# Altium PCB FlightControl.PcbDoc (part 2 of 4) (continued)
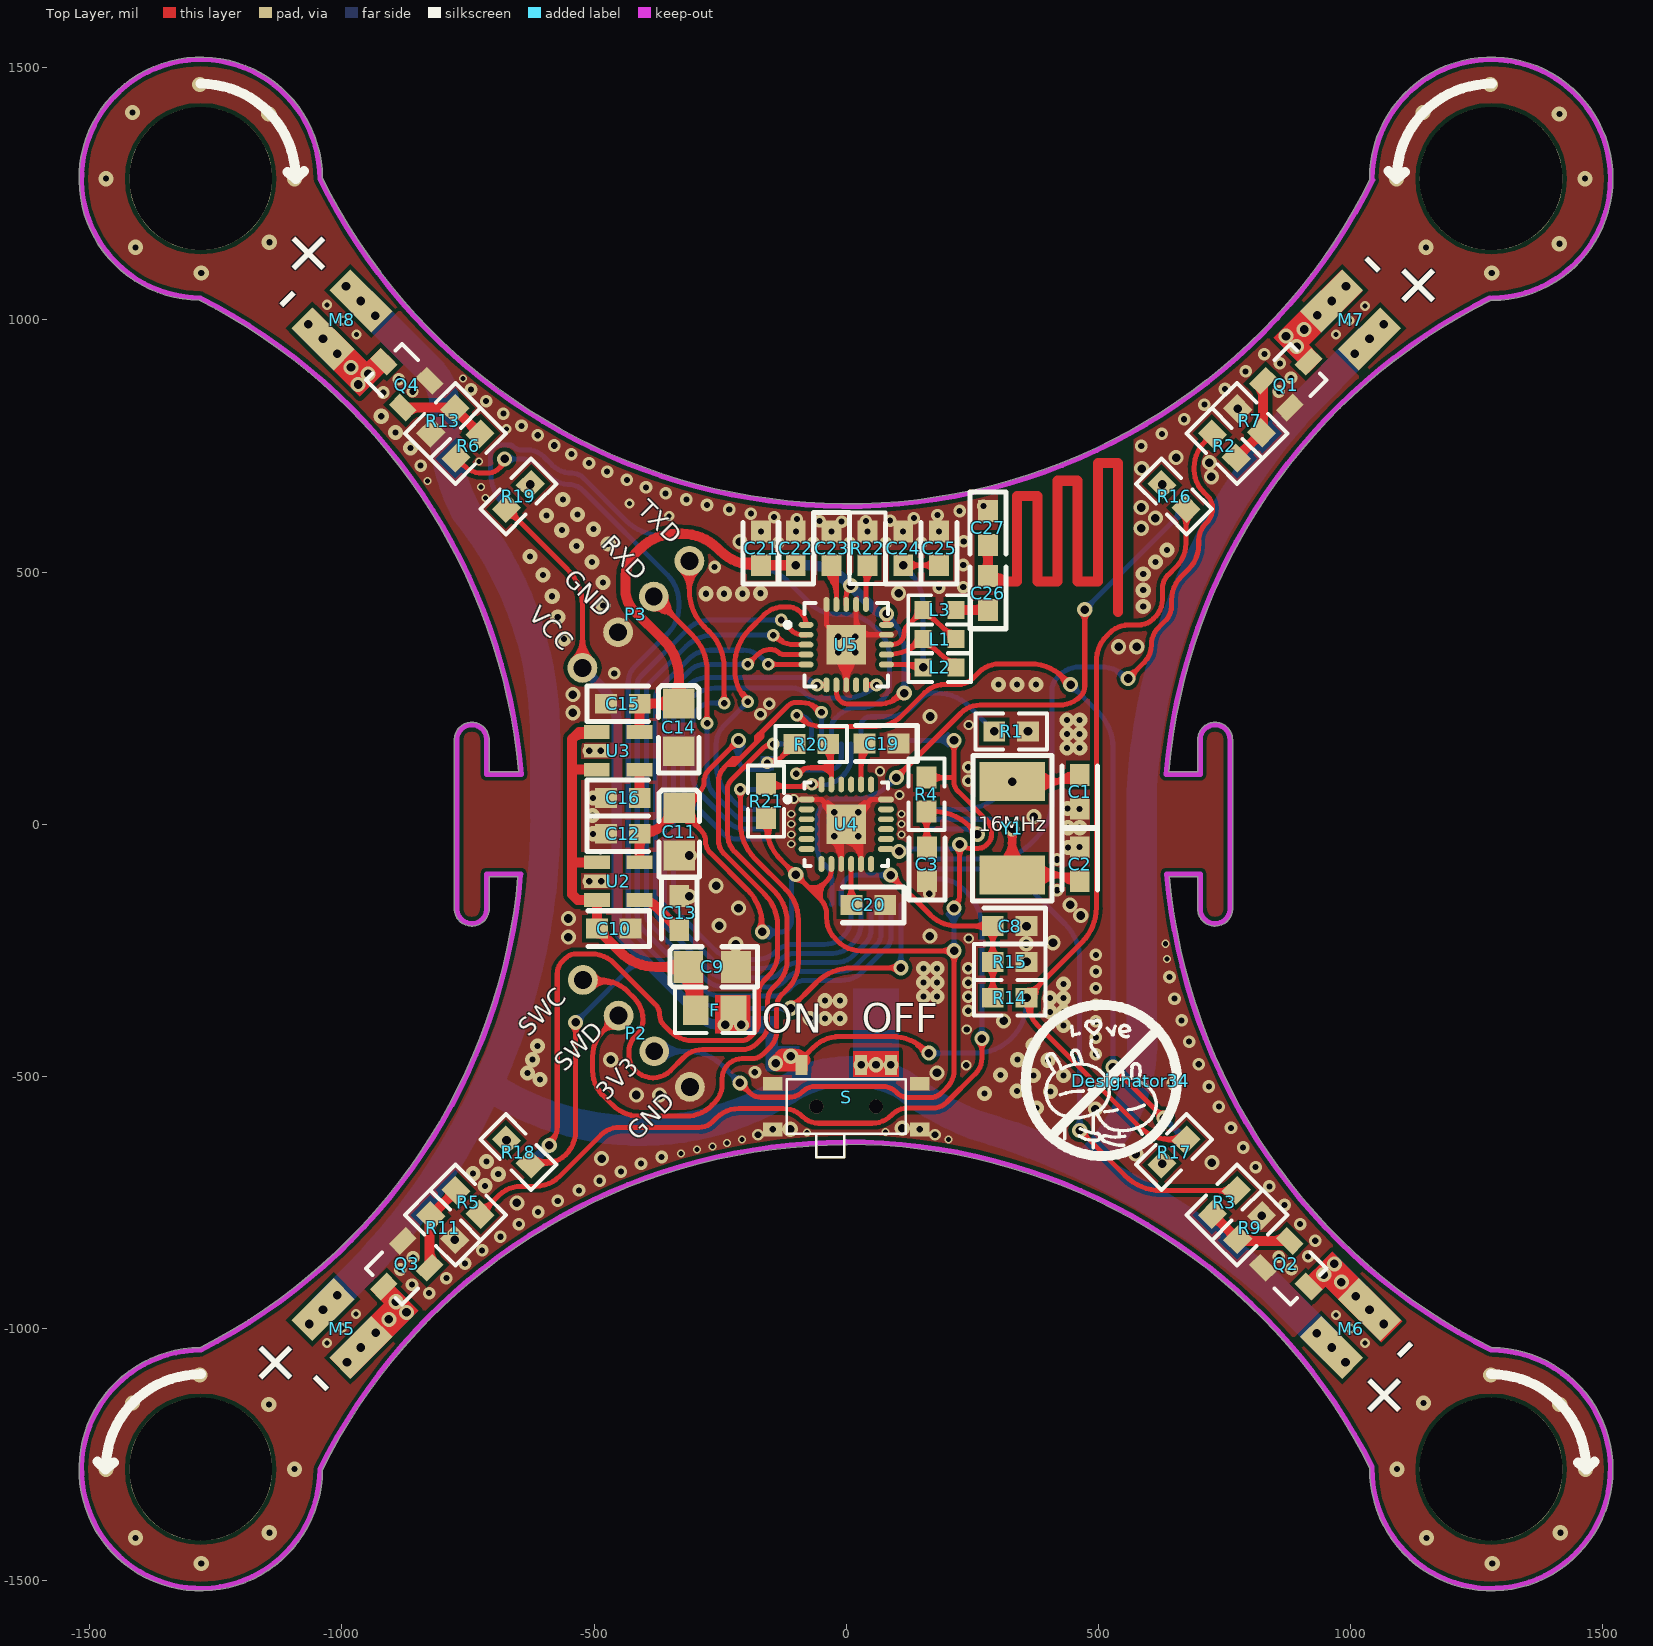
[diagram p0: Top Layer view]
## Nets (pads, with @x,y where several pads share a name; then routed paths per layer and width w, separated by ;. In a path a pad name is that pad's centre, name@x,y a point inside that pad or via, vN(x,y) a via of type N, cw(c..) or ccw(c..) an arc to the next point about the centre after c; other vN are vias at no path point) (continued)
  Bottom Layer w10: LED3.2@-626.34,-673.66 -625.66,-673.66 v1(-589,-637) ; U1.40@-49.21,159.45 -49.21,221.79 v4(-49,222) ; LED3.2@-627.73,-657.59 ccw(c-627.73,-630.38) -608.49,-649.62 ; LED3.2@-627.73,-657.59 ccw(c-627.73,-630.38) -608.49,-649.62 ; LED3.2@-627.73,-657.59 ccw(c-627.73,-630.38) -608.49,-649.62 ; LED3.2@-626.34,-658.98 ccw(c-626.34,-621.9) -600.12,-648.12 ; LED3.2@-626.34,-658.98 ccw(c-626.34,-621.9) -600.12,-648.12 ; LED3.2@-626.34,-658.98 ccw(c-626.34,-621.9) -600.12,-648.12 ; LED3.2@-623.48,-660.44 ccw(c-620.1,-626.64) -596.08,-650.66 ; LED3.2@-623.48,-660.44 ccw(c-620.1,-626.64) -596.08,-650.66 ; LED3.2@-623.48,-660.44 ccw(c-620.1,-626.64) -596.08,-650.66 ; LED3.2@-616.38,-657.51 ccw(c-635.4,-624.57) v1@-598.66,-634.41 ; LED3.2@-616.38,-657.51 ccw(c-635.4,-624.57) v1@-598.66,-634.41 ; LED3.2@-616.38,-657.51 ccw(c-635.4,-624.57) v1@-598.66,-634.41 ; LED3.2@-616.38,-657.51 ccw(c-635.4,-624.57) v1@-598.66,-634.41 ; LED3.2@-616.38,-657.51 ccw(c-635.4,-624.57) v1@-598.66,-634.41 ; LED3.2@-616.38,-657.51 ccw(c-635.4,-624.57) v1@-598.66,-634.41 ; LED3.2@-615.45,-661.85 ccw(c-632.08,-633.04) v1@-598.96,-636.09 ; LED3.2@-615.45,-661.85 ccw(c-632.08,-633.04) v1@-598.96,-636.09 ; LED3.2@-615.45,-661.85 ccw(c-632.08,-633.04) v1@-598.96,-636.09 ; LED3.2@-614.3,-664.09 cw(c-584.26,-681.44) v1@-587.94,-646.94 ; LED3.2@-614.3,-664.09 cw(c-584.26,-681.44) v1@-587.94,-646.94 ; LED3.2@-614.3,-664.09 cw(c-584.26,-681.44) v1@-587.94,-646.94 ; LED3.2@-613.07,-671.43 cw(c-576.71,-669.34) -602.46,-643.59 ; LED3.2@-613.07,-671.43 cw(c-576.71,-669.34) -602.46,-643.59 ; LED3.2@-613.07,-671.43 cw(c-576.71,-669.34) -602.46,-643.59 ; LED3.2@-611.65,-673.66 cw(c-577.82,-673.66) -601.74,-649.74 ; LED3.2@-611.65,-673.66 cw(c-577.82,-673.66) -601.74,-649.74 ; LED3.2@-611.65,-673.66 cw(c-577.82,-673.66) -601.74,-649.74 ; -611.29,-656.29 cw(c-594.35,-666.07) v1@-590.81,-646.83 ; -611.29,-656.29 cw(c-594.35,-666.07) v1@-590.81,-646.83 ; -611.29,-656.29 cw(c-594.35,-666.07) v1@-590.81,-646.83 ; LED3.2@-610.74,-665.33 cw(c-576.04,-685.36) v1@-586.41,-646.66 ; LED3.2@-610.74,-665.33 cw(c-576.04,-685.36) v1@-586.41,-646.66 ; LED3.2@-610.74,-665.33 cw(c-576.04,-685.36) v1@-586.41,-646.66 ; LED3.2@-610.74,-665.33 cw(c-576.04,-685.36) v1@-586.41,-646.66 ; LED3.2@-610.74,-665.33 cw(c-576.04,-685.36) v1@-586.41,-646.66 ; LED3.2@-610.74,-665.33 cw(c-576.04,-685.36) v1@-586.41,-646.66 ; LED3.2@-610.26,-675.06 cw(c-585.61,-675.06) -603.04,-657.63 ; LED3.2@-610.26,-675.06 cw(c-585.61,-675.06) -603.04,-657.63 ; LED3.2@-610.26,-675.06 cw(c-585.61,-675.06) -603.04,-657.63 ; -609.2,-659.82 ccw(c-619.74,-641.56) v1@-598.89,-638.47 ; -609.2,-659.82 ccw(c-619.74,-641.56) v1@-598.89,-638.47 ; -609.2,-659.82 ccw(c-619.74,-641.56) v1@-598.89,-638.47 ; -606.07,-654.07 ccw(c-623.14,-637) v1@-599,-637 ; -606.07,-654.07 cw(c-589,-671.14) v1@-589,-647 ; -606.07,-654.07 ccw(c-623.14,-637) v1@-599,-637 ; -606.07,-654.07 cw(c-589,-671.14) v1@-589,-647 ; -606.07,-654.07 ccw(c-623.14,-637) v1@-599,-637 ; -606.07,-654.07 cw(c-589,-671.14) v1@-589,-647 ; -604.47,-647.06 cw(c-586.84,-657.24) v1(-589,-637) ; -604.47,-647.06 cw(c-586.84,-657.24) v1(-589,-637) ; -604.47,-647.06 cw(c-586.84,-657.24) v1(-589,-637) ; -604.21,-644.02 cw(c-591.63,-651.29) v1(-589,-637) ; -604.21,-644.02 cw(c-591.63,-651.29) v1(-589,-637) ; -604.21,-644.02 cw(c-591.63,-651.29) v1(-589,-637) ; -598.73,-652.19 ccw(c-608.53,-635.21) v1(-589,-637) ; -598.73,-652.19 ccw(c-608.53,-635.21) v1(-589,-637) ; -598.73,-652.19 ccw(c-608.53,-635.21) v1(-589,-637) ; -596.47,-652.47 ccw(c-604.1,-639.24) v1(-589,-637) ; -596.47,-652.47 ccw(c-604.1,-639.24) v1(-589,-637) ; -596.47,-652.47 ccw(c-604.1,-639.24) v1(-589,-637) ; v4@-54.3,216.7 cw(c-66.59,204.41) -49.21,204.41 ; v4@-54.3,216.7 cw(c-66.59,204.41) -49.21,204.41 ; v4@-54.3,216.7 cw(c-66.59,204.41) -49.21,204.41 ; -49.21,203.38 cw(c-30.38,203.38) v4@-43.7,216.7 ; -49.21,203.38 cw(c-30.38,203.38) v4@-43.7,216.7 ; -49.21,203.38 cw(c-30.38,203.38) v4@-43.7,216.7
LED4: LED4.2 U1.41 | length 1487.3
  Bottom Layer w10: LED4.2@-673.66,626.34 -675.92,628.59 cw(c-605.21,699.31) -705.21,699.31 -705.21,732.71 cw(c-685.71,732.71) -699.5,746.5 cw(c-685.71,732.71) -685.71,752.21 -669.17,752.21 cw(c-669.17,737.83) -659,748 ccw(c-645.03,761.97) -645.03,742.21 -633,742.21 cw(c-633,694.44) -599.24,728.24 ; -599.22,728.22 -583.65,712.65 ccw(c-543.45,752.85) -543.45,696 cw(c-543.45,665.27) -521.74,687.02 ; -521.72,687 -437.01,602.29 ccw(c-366.3,673) -366.3,573 -318.36,573 cw(c-318.36,487.64) -258.04,548.04 cw(c-318.36,487.64) -258,548 -246.29,536.29 ccw(c-175.58,607) -175.58,507 -174.94,507 cw(c-174.94,425.06) -117.03,483.03 ; -117,483 -73,439 ccw(c-17.47,494.53) -17.47,416 -4.36,416 cw(c-4.36,330.64) 55.96,391.04 cw(c-4.36,330.64) 56,391 65,382 cw(c14.3,331.3) 86,331.3 86,277.56 cw(c48.44,277.56) 75.03,251.03 ; U1.41@-29.53,159.45 -29.53,191.03 cw(c-4.32,191.03) -22.16,208.84 -14.76,216.24 cw(c20.88,180.59) 20.88,231 27.5,231 ccw(c27.5,297.39) 74.42,250.42 ; 74.45,250.45 75,251 ; -696.44,662.02 ccw(c-658.49,685.31) LED4.2@-668.85,642.01 ; -696.44,662.02 ccw(c-658.49,685.31) LED4.2@-668.85,642.01 ; -696.44,662.02 ccw(c-658.49,685.31) LED4.2@-668.85,642.01 ; -689.73,651.08 cw(c-712.21,637.28) LED4.2@-686.55,631.15 ; -689.73,651.08 cw(c-712.21,637.28) LED4.2@-686.55,631.15 ; -689.73,651.08 cw(c-712.21,637.28) LED4.2@-686.55,631.15
MCO: U1.29 U5.10 | length 968
  Top Layer w10: U5.10@39.37,276.28 59.72,276.28 v4(60,276) ; U5.10@41.23,276.28 cw(c41.23,257.23) v4@54.7,270.7 ; U5.10@41.23,276.28 cw(c41.23,257.23) v4@54.7,270.7 ; U5.10@41.23,276.28 cw(c41.23,257.23) v4@54.7,270.7 ; U5.10@42.56,276.28 ccw(c42.56,293.44) v4@54.7,281.3 ; U5.10@42.56,276.28 ccw(c42.56,293.44) v4@54.7,281.3 ; U5.10@42.56,276.28 ccw(c42.56,293.44) v4@54.7,281.3
  Bottom Layer w10: -246.53,-16.47 -309,46 cw(c-270.37,84.63) -325,84.63 -325,205.13 cw(c-260.13,205.13) -306,251 cw(c-260.13,205.13) -260.13,270 -106.14,270 cw(c-106.14,235.86) -82.02,260.02 ccw(c-57.86,284.14) -57.86,250 -2.77,250 ccw(c-2.77,338.77) v4(60,276) ; -246.51,-16.49 ccw(c-215,15.07) -215,-29.53 U1.29@-159.45,-29.53 ; 44.32,266.95 ccw(c35.27,282.63) v4@52.76,277.94 ; 44.32,266.95 cw(c53.37,251.27) v4@58.06,268.76 ; 44.32,266.95 ccw(c35.27,282.63) v4@52.76,277.94 ; 44.32,266.95 cw(c53.37,251.27) v4@58.06,268.76 ; 44.32,266.95 ccw(c35.27,282.63) v4@52.76,277.94 ; 44.32,266.95 cw(c53.37,251.27) v4@58.06,268.76
MISO: U1.16 U5.5 | length 1383.5
  Top Layer w10: v4(-155,317) -154.63,316.63 U5.5@-79.72,316.63 ; v4@-149.7,311.7 cw(c-137.79,299.79) -137.79,316.63 ; v4@-149.7,322.3 ccw(c-136,336) -136,316.63
  Bottom Layer w10: -313,327.31 cw(c-270.29,284.6) -309.21,330.79 ; v4(-155,317) -167.45,329.45 ccw(c-205,291.89) -205,345 -270.29,345 ccw(c-270.29,284.6) -309.21,330.79 ; -132.73,-296.01 cw(c-154.45,-274.27) -154.45,-305 -237.62,-305 cw(c-237.62,-260.62) -269,-292 -366,-195 cw(c-335.53,-164.53) -378.62,-164.53 -378.62,249.18 cw(c-349.18,249.18) -370.02,269.98 -309.21,330.79 ; -132.72,-296 -123,-286.28 ; -122.97,-286.25 cw(c-93.36,-315.92) -93.36,-274 -18.73,-274 ccw(c-18.73,-227.72) 13.97,-260.48 ; 14,-260.44 38.07,-236.37 ccw(c11.19,-209.48) 49.21,-209.48 U1.16@49.21,-159.45
MOSI: U1.17 U5.4 | length 1387.9
  Top Layer w10: v4(-195,317) -175.19,336.81 cw(c-153,314.62) -153,346 -146.85,346 cw(c-146.85,329.47) -135.17,341.17 ccw(c-123.47,352.85) -123.47,336.32 ; v4@-195,324.5 ccw(c-195,342.61) -182.2,329.8 ccw(c-169.39,317) v4@-187.5,317 ; -107,336.32 -123.47,336.32 ; U5.4@-79.72,336.32 -123.47,336.32
  Bottom Layer w10: -310,304.72 -350,264.72 ccw(c-324.05,238.77) -360.75,238.77 -360.75,-153.4 ccw(c-310.4,-153.4) -346.02,-188.98 -261.02,-273.98 ccw(c-232,-244.96) -232,-286 -166.38,-286 ccw(c-166.38,-241.62) -135,-273 -129,-267 cw(c-102.75,-293.25) -102.75,-256.13 -26.67,-256.13 ccw(c-26.67,-208.54) 6.97,-242.19 13.17,-236 ccw(c-26.33,-196.5) 29.53,-196.5 U1.17@29.53,-159.45 ; -309.97,304.75 cw(c-280.36,275.08) -280.36,317 v4(-195,317) ; -213.11,317 ccw(c-213.11,335.11) v4@-200.3,322.3 ; -213.11,317 cw(c-213.11,298.89) v4@-200.3,311.7 ; -213.11,317 ccw(c-213.11,335.11) v4@-200.3,322.3 ; -213.11,317 cw(c-213.11,298.89) v4@-200.3,311.7 ; -213.11,317 ccw(c-213.11,335.11) v4@-200.3,322.3 ; -213.11,317 cw(c-213.11,298.89) v4@-200.3,311.7
NetC1_2: C1.2 U1.5 Y1.2 | length 1675.4
  Top Layer w10: v1(329,84.52) 450.06,84.52 C1.2@463,97.46 ; Y1.2@336.07,77.45 cw(c353.14,60.38) Y1.2@353.14,84.52 ; Y1.2@336.07,77.45 cw(c353.14,60.38) Y1.2@353.14,84.52 ; Y1.2@336.07,77.45 cw(c353.14,60.38) Y1.2@353.14,84.52 ; Y1.2@336.07,91.59 ccw(c353.14,108.66) Y1.2@353.14,84.52 ; Y1.2@336.07,91.59 ccw(c353.14,108.66) Y1.2@353.14,84.52 ; Y1.2@336.07,91.59 ccw(c353.14,108.66) Y1.2@353.14,84.52 ; Y1.2@372.11,67.98 cw(c412.03,28.06) 412.03,84.52 ; Y1.2@372.11,67.98 cw(c412.03,28.06) 412.03,84.52 ; Y1.2@372.11,67.98 cw(c412.03,28.06) 412.03,84.52 ; Y1.2@372.11,101.06 ccw(c412.03,140.98) 412.03,84.52 ; Y1.2@372.11,101.06 ccw(c412.03,140.98) 412.03,84.52 ; Y1.2@372.11,101.06 ccw(c412.03,140.98) 412.03,84.52 ; Y1.2@379.18,60.91 cw(c436.18,3.92) 436.18,84.52 ; Y1.2@379.18,60.91 cw(c436.18,3.92) 436.18,84.52 ; Y1.2@379.18,60.91 cw(c436.18,3.92) 436.18,84.52 ; Y1.2@379.18,108.13 ccw(c436.18,165.12) 436.18,84.52 ; Y1.2@379.18,108.13 ccw(c436.18,165.12) 436.18,84.52 ; Y1.2@379.18,108.13 ccw(c436.18,165.12) 436.18,84.52 ; 401.05,84.52 ccw(c401.05,157.45) C1.2@452.62,105.88 ; 401.05,84.52 ccw(c401.05,157.45) C1.2@452.62,105.88 ; 401.05,84.52 ccw(c401.05,157.45) C1.2@452.62,105.88 ; 425.19,84.52 ccw(c425.19,133.3) C1.2@459.69,98.81 ; 425.19,84.52 ccw(c425.19,133.3) C1.2@459.69,98.81 ; 425.19,84.52 ccw(c425.19,133.3) C1.2@459.69,98.81 ; 440.08,87.49 ccw(c430.89,103.42) C1.2@448.74,99.01 ; 440.08,87.49 cw(c444.95,79.07) C1.2@452.14,85.61 ; 440.08,87.49 ccw(c430.89,103.42) C1.2@448.74,99.01 ; 440.08,87.49 cw(c444.95,79.07) C1.2@452.14,85.61 ; 440.08,87.49 ccw(c430.89,103.42) C1.2@448.74,99.01 ; 440.08,87.49 cw(c444.95,79.07) C1.2@452.14,85.61 ; 427.02,91.1 cw(c436.53,74.63) 451.47,86.4 ccw(c436.53,74.63) 427.02,91.1 ; 437.02,96.88 cw(c445.7,81.85) 459.32,92.59 ccw(c445.7,81.85) 437.02,96.88
  Bottom Layer w10: U1.5@159.45,29.53 232.59,29.53 ccw(c232.59,129.53) 303.3,58.82 v1(329,84.52) ; 311.93,67.45 ccw(c294.86,84.52) v1@319,84.52 ; 311.93,67.45 cw(c329,50.38) v1@329,74.52 ; 311.93,67.45 ccw(c294.86,84.52) v1@319,84.52 ; 311.93,67.45 cw(c329,50.38) v1@329,74.52 ; 311.93,67.45 ccw(c294.86,84.52) v1@319,84.52 ; 311.93,67.45 cw(c329,50.38) v1@329,74.52
NetC2_2: C2.2 U1.6 Y1.1 | length 2866.8
  Top Layer w10: v1(329,-9) Y1.1@329,-100.52 451.06,-100.52 C2.2@463,-112.46 ; Y1.1@305.39,-76.91 ccw(c248.4,-19.92) v1@329,-19.92 ; Y1.1@305.39,-76.91 ccw(c248.4,-19.92) v1@329,-19.92 ; Y1.1@305.39,-76.91 ccw(c248.4,-19.92) v1@329,-19.92 ; Y1.1@312.46,-83.98 ccw(c272.54,-44.06) 329,-44.06 ; Y1.1@312.46,-83.98 ccw(c272.54,-44.06) 329,-44.06 ; Y1.1@312.46,-83.98 ccw(c272.54,-44.06) 329,-44.06 ; v1@320.59,-14.42 cw(c293.67,-31.76) 324.97,-38.53 ; v1@320.59,-14.42 cw(c293.67,-31.76) 324.97,-38.53 ; v1@320.59,-14.42 cw(c293.67,-31.76) 324.97,-38.53 ; v1@320.59,-14.42 cw(c293.67,-31.76) 324.97,-38.53 ; v1@320.59,-14.42 cw(c293.67,-31.76) 324.97,-38.53 ; v1@320.59,-14.42 cw(c293.67,-31.76) 324.97,-38.53 ; v1@321.93,-16.07 cw(c304.86,-33.14) 329,-33.14 ; v1@321.93,-16.07 cw(c304.86,-33.14) 329,-33.14 ; v1@321.93,-16.07 cw(c304.86,-33.14) 329,-33.14 ; v1@323.58,-17.41 cw(c314.78,-31.07) 330.67,-27.64 ; v1@323.58,-17.41 cw(c314.78,-31.07) 330.67,-27.64 ; v1@323.58,-17.41 cw(c314.78,-31.07) 330.67,-27.64 ; v1@323.58,-17.41 cw(c314.78,-31.07) 330.67,-27.64 ; v1@323.58,-17.41 cw(c314.78,-31.07) 330.67,-27.64 ; v1@323.58,-17.41 cw(c314.78,-31.07) 330.67,-27.64 ; 327.33,-27.64 cw(c343.22,-31.07) v1@334.42,-17.41 ; 327.33,-27.64 cw(c343.22,-31.07) v1@334.42,-17.41 ; 327.33,-27.64 cw(c343.22,-31.07) v1@334.42,-17.41 ; 327.33,-27.64 cw(c343.22,-31.07) v1@334.42,-17.41 ; 327.33,-27.64 cw(c343.22,-31.07) v1@334.42,-17.41 ; 327.33,-27.64 cw(c343.22,-31.07) v1@334.42,-17.41 ; 329,-44.06 ccw(c385.46,-44.06) Y1.1@345.54,-83.98 ; 329,-44.06 ccw(c385.46,-44.06) Y1.1@345.54,-83.98 ; 329,-44.06 ccw(c385.46,-44.06) Y1.1@345.54,-83.98 ; 329,-33.14 cw(c353.14,-33.14) v1@336.07,-16.07 ; 329,-33.14 cw(c353.14,-33.14) v1@336.07,-16.07 ; 329,-33.14 cw(c353.14,-33.14) v1@336.07,-16.07 ; v1@329,-19.92 ccw(c409.6,-19.92) Y1.1@352.61,-76.91 ; v1@329,-19.92 ccw(c409.6,-19.92) Y1.1@352.61,-76.91 ; v1@329,-19.92 ccw(c409.6,-19.92) Y1.1@352.61,-76.91 ; 333.03,-38.53 cw(c364.33,-31.76) v1@337.41,-14.42 ; 333.03,-38.53 cw(c364.33,-31.76) v1@337.41,-14.42 ; 333.03,-38.53 cw(c364.33,-31.76) v1@337.41,-14.42 ; 333.03,-38.53 cw(c364.33,-31.76) v1@337.41,-14.42 ; 333.03,-38.53 cw(c364.33,-31.76) v1@337.41,-14.42 ; 333.03,-38.53 cw(c364.33,-31.76) v1@337.41,-14.42 ; Y1.1@372.11,-117.06 cw(c412.03,-156.98) 412.03,-100.52 ; Y1.1@372.11,-117.06 cw(c412.03,-156.98) 412.03,-100.52 ; Y1.1@372.11,-117.06 cw(c412.03,-156.98) 412.03,-100.52 ; Y1.1@372.11,-83.98 ccw(c412.03,-44.06) 412.03,-100.52 ; Y1.1@372.11,-83.98 ccw(c412.03,-44.06) 412.03,-100.52 ; Y1.1@372.11,-83.98 ccw(c412.03,-44.06) 412.03,-100.52 ; Y1.1@379.18,-124.13 cw(c436.18,-181.12) 436.18,-100.52 ; Y1.1@379.18,-124.13 cw(c436.18,-181.12) 436.18,-100.52 ; Y1.1@379.18,-124.13 cw(c436.18,-181.12) 436.18,-100.52 ; Y1.1@379.18,-76.91 ccw(c436.18,-19.92) 436.18,-100.52 ; Y1.1@379.18,-76.91 ccw(c436.18,-19.92) 436.18,-100.52 ; Y1.1@379.18,-76.91 ccw(c436.18,-19.92) 436.18,-100.52 ; 403.46,-100.52 cw(c403.46,-170.03) C2.2@452.62,-120.88 ; 403.46,-100.52 cw(c403.46,-170.03) C2.2@452.62,-120.88 ; 403.46,-100.52 cw(c403.46,-170.03) C2.2@452.62,-120.88 ; 427.61,-100.52 cw(c427.61,-145.89) C2.2@459.69,-113.81 ; 427.61,-100.52 cw(c427.61,-145.89) C2.2@459.69,-113.81 ; 427.61,-100.52 cw(c427.61,-145.89) C2.2@459.69,-113.81 ; 441.61,-103.37 ccw(c445.42,-96.78) C2.2@451.42,-101.46 ; 441.61,-103.37 cw(c434.41,-115.84) C2.2@448.57,-113.19 ; 441.61,-103.37 ccw(c445.42,-96.78) C2.2@451.42,-101.46 ; 441.61,-103.37 cw(c434.41,-115.84) C2.2@448.57,-113.19 ; 441.61,-103.37 ccw(c445.42,-96.78) C2.2@451.42,-101.46 ; 441.61,-103.37 cw(c434.41,-115.84) C2.2@448.57,-113.19 ; 428.55,-106.98 ccw(c437.07,-92.23) 450.99,-102.04 cw(c437.07,-92.23) 428.55,-106.98 ; 438.03,-112.46 ccw(c446.05,-98.56) 459.17,-107.8 cw(c446.05,-98.56) 438.03,-112.46
  Bottom Layer w10: U1.6@159.45,9.84 283.51,9.84 cw(c283.51,-54.49) v1(329,-9) ; 308.1,3.06 ccw(c320.16,23.95) v1@326.41,0.66 ; 308.1,3.06 ccw(c320.16,23.95) v1@326.41,0.66 ; 308.1,3.06 ccw(c320.16,23.95) v1@326.41,0.66 ; 308.08,3.08 cw(c296,-17.86) v1@319.34,-11.59 ; 308.08,3.08 cw(c296,-17.86) v1@319.34,-11.59 ; 308.08,3.08 cw(c296,-17.86) v1@319.34,-11.59 ; 310.3,4.06 ccw(c319.55,9.41) v1@324.43,-0.1 ; 310.3,4.06 ccw(c319.55,9.41) v1@324.43,-0.1 ; 310.3,4.06 ccw(c319.55,9.41) v1@324.43,-0.1
NetC3_2: C3.2 R4.2 U1.7 | length 915.4
  Top Layer w10: R4.2@159,25.54 173.04,25.54 cw(c173.04,-74.46) 187.15,24.54 cw(c173.04,-74.46) 243.75,-3.75 ; C3.2@160,-45.54 R4.2@160,23.54 ; R4.2@148.62,13.18 cw(c121.13,-14.3) 160,-14.3 ; R4.2@148.62,13.18 cw(c121.13,-14.3) 160,-14.3 ; R4.2@148.62,13.18 cw(c121.13,-14.3) 160,-14.3 ; C3.2@149.62,-33.18 ccw(c124.55,-8.11) 160,-8.11 ; C3.2@149.62,-33.18 ccw(c124.55,-8.11) 160,-8.11 ; C3.2@149.62,-33.18 ccw(c124.55,-8.11) 160,-8.11 ; 160,-9.47 cw(c192.04,-9.47) R4.2@169.38,13.18 ; 160,-9.47 cw(c192.04,-9.47) R4.2@169.38,13.18 ; 160,-9.47 cw(c192.04,-9.47) R4.2@169.38,13.18 ; 160,-8.11 ccw(c195.45,-8.11) C3.2@170.38,-33.18 ; 160,-8.11 ccw(c195.45,-8.11) C3.2@170.38,-33.18 ; 160,-8.11 ccw(c195.45,-8.11) C3.2@170.38,-33.18 ; 243.75,-3.75 ccw(c258.88,11.37) v1@259.64,-10.01 ; 243.75,-3.75 cw(c228.63,-18.88) v1@250.01,-19.64 ; 243.75,-3.75 ccw(c258.88,11.37) v1@259.64,-10.01 ; 243.75,-3.75 cw(c228.63,-18.88) v1@250.01,-19.64 ; 243.75,-3.75 ccw(c258.88,11.37) v1@259.64,-10.01 ; 243.75,-3.75 cw(c228.63,-18.88) v1@250.01,-19.64 ; 243.75,-3.75 v1(260,-20) ; 246.11,-6.89 cw(c241.87,-25.3) v1(260,-20) ; 246.11,-6.89 cw(c241.87,-25.3) v1(260,-20) ; 246.11,-6.89 cw(c241.87,-25.3) v1(260,-20) ; 246.89,-6.11 ccw(c265.3,-1.87) v1(260,-20) ; 246.89,-6.11 ccw(c265.3,-1.87) v1(260,-20) ; 246.89,-6.11 ccw(c265.3,-1.87) v1(260,-20)
  Bottom Layer w10: U1.7@159.45,-9.84 235.48,-9.84 cw(c235.48,-44.52) v1(260,-20) ; 244.45,-11.02 ccw(c250.01,-1.4) v1@255.27,-11.19 ; 244.45,-11.02 cw(c238.9,-20.65) v1@250,-20.31 ; 244.45,-11.02 ccw(c250.01,-1.4) v1@255.27,-11.19 ; 244.45,-11.02 cw(c238.9,-20.65) v1@250,-20.31 ; 244.45,-11.02 ccw(c250.01,-1.4) v1@255.27,-11.19 ; 244.45,-11.02 cw(c238.9,-20.65) v1@250,-20.31
NetC9_2: C9.2 C10.2 F.2 U2.1 U2.3 U3.1 U3.3 | length 1927.8
  Top Layer w20: -542.8,108.2 U3.3@-494.64,108.2 ; -541.4,-75.6 U2.1@-494.32,-75.6 ; U3.1@-494.64,183 -530,183 -544,169 ; C10.2@-494.46,-207 -447.75,-253.71 ccw(c-377.04,-183) -377.04,-283 C9.2@-313.24,-283 ; C10.2@-494.32,-206.86 U2.3@-494.32,-150.4 -532.6,-150.4 -544,-139 -544,169 ; -544,169 cw(c-516.23,141.23) U3.1@-507.45,179.51 ; -544,169 cw(c-516.23,141.23) U3.1@-507.45,179.51 ; -544,169 cw(c-516.23,141.23) U3.1@-507.45,179.51 ; C10.2@-501.31,-200.15 ccw(c-518.19,-183.28) -494.32,-183.28 ; C10.2@-501.31,-200.15 ccw(c-518.19,-183.28) -494.32,-183.28 ; C10.2@-501.31,-200.15 ccw(c-518.19,-183.28) -494.32,-183.28 ; -494.32,-183.96 ccw(c-471.43,-183.96) C10.2@-487.62,-200.15 ; -494.32,-183.96 ccw(c-471.43,-183.96) C10.2@-487.62,-200.15 ; -494.32,-183.96 ccw(c-471.43,-183.96) C10.2@-487.62,-200.15 ; C10.2@-492.5,-216.68 cw(c-492.5,-235.31) C10.2@-479.32,-222.14 ; C10.2@-492.5,-216.68 cw(c-492.5,-235.31) C10.2@-479.32,-222.14 ; C10.2@-492.5,-216.68 cw(c-492.5,-235.31) C10.2@-479.32,-222.14 ; C10.2@-482.81,-207 ccw(c-454.68,-207) -474.57,-226.89 ; C10.2@-482.81,-207 ccw(c-454.68,-207) -474.57,-226.89 ; C10.2@-482.81,-207 ccw(c-454.68,-207) -474.57,-226.89 ; -360.39,-283 ccw(c-360.39,-235.86) C9.2@-327.05,-269.19 ; -360.39,-283 cw(c-360.39,-330.14) C9.2@-327.05,-296.81 ; -360.39,-283 ccw(c-360.39,-235.86) C9.2@-327.05,-269.19 ; -360.39,-283 cw(c-360.39,-330.14) C9.2@-327.05,-296.81 ; -360.39,-283 ccw(c-360.39,-235.86) C9.2@-327.05,-269.19 ; -360.39,-283 cw(c-360.39,-330.14) C9.2@-327.05,-296.81 ; -523.52,178.92 ccw(c-524.26,199.38) -509.28,185.44 cw(c-524.26,199.38) -523.52,178.92
  Top Layer w30: C9.2@-313.24,-283 -298.4,-297.84 F.2@-298.4,-369 ; C9.2@-323.52,-295.24 cw(c-384.15,-355.87) F.2@-298.4,-355.87 ; C9.2@-323.52,-295.24 cw(c-384.15,-355.87) F.2@-298.4,-355.87 ; C9.2@-323.52,-295.24 cw(c-384.15,-355.87) F.2@-298.4,-355.87 ; F.2@-307.57,-359.77 ccw(c-336.75,-342.92) -304.21,-334.2 ; F.2@-307.57,-359.77 ccw(c-336.75,-342.92) -304.21,-334.2 ; F.2@-307.57,-359.77 ccw(c-336.75,-342.92) -304.21,-334.2 ; F.2@-307.57,-359.77 ccw(c-336.75,-342.92) -304.21,-334.2 ; F.2@-307.57,-359.77 ccw(c-336.75,-342.92) -304.21,-334.2 ; F.2@-307.57,-359.77 ccw(c-336.75,-342.92) -304.21,-334.2 ; -305.38,-326.66 cw(c-281.28,-312.75) C9.2@-302.28,-294.5 ; -305.38,-326.66 cw(c-281.28,-312.75) C9.2@-302.28,-294.5 ; -305.38,-326.66 cw(c-281.28,-312.75) C9.2@-302.28,-294.5
NetC13_2: C13.2 U2.4 | length 338.6
  Top Layer w20: U2.4@-409.68,-150.4 cw(c-409.68,-197.76) -376.19,-164.27 C13.2@-331,-209.46 ; U2.4@-397.67,-153.98 cw(c-397.67,-181) -378.57,-161.9 ; U2.4@-397.67,-153.98 cw(c-397.67,-181) -378.57,-161.9 ; U2.4@-397.67,-153.98 cw(c-397.67,-181) -378.57,-161.9 ; U2.4@-397.67,-153.98 cw(c-397.67,-181) -378.57,-161.9 ; U2.4@-397.67,-153.98 cw(c-397.67,-181) -378.57,-161.9 ; U2.4@-397.67,-153.98 cw(c-397.67,-181) -378.57,-161.9 ; -350.89,-189.57 ccw(c-331,-169.68) C13.2@-331,-197.81 ; -350.89,-189.57 ccw(c-331,-169.68) C13.2@-331,-197.81 ; -350.89,-189.57 ccw(c-331,-169.68) C13.2@-331,-197.81 ; C13.2@-346.14,-194.32 cw(c-359.31,-207.5) C13.2@-340.68,-207.5 ; C13.2@-346.14,-194.32 cw(c-359.31,-207.5) C13.2@-340.68,-207.5 ; C13.2@-346.14,-194.32 cw(c-359.31,-207.5) C13.2@-340.68,-207.5
NetC16_2: C16.2 U3.4 | length 165.9
  Top Layer w20: C16.2@-410,52.46 U3.4@-410,108.2 ; C16.2@-416.38,58.85 ccw(c-431.8,74.26) -410,74.26 ; C16.2@-416.38,58.85 ccw(c-431.8,74.26) -410,74.26 ; C16.2@-416.38,58.85 ccw(c-431.8,74.26) -410,74.26 ; -410,76.5 ccw(c-385.03,76.5) C16.2@-402.69,58.85 ; -410,76.5 ccw(c-385.03,76.5) C16.2@-402.69,58.85 ; -410,76.5 ccw(c-385.03,76.5) C16.2@-402.69,58.85
NetC19_2: C19.2 U4.20 | length 318.4
  Top Layer w10: U4.20@29.53,78.74 29.53,152.99 C19.2@36.54,160 ; C19.2@24.18,149.62 cw(c11.28,136.71) 29.53,136.71 ; C19.2@24.18,149.62 cw(c11.28,136.71) 29.53,136.71 ; C19.2@24.18,149.62 cw(c11.28,136.71) 29.53,136.71 ; 29.53,112.38 cw(c82.19,112.38) C19.2@44.95,149.62 ; 29.53,112.38 cw(c82.19,112.38) C19.2@44.95,149.62 ; 29.53,112.38 cw(c82.19,112.38) C19.2@44.95,149.62 ; 29.53,136.52 cw(c58.04,136.52) C19.2@37.88,156.69 ; 29.53,136.52 cw(c58.04,136.52) C19.2@37.88,156.69 ; 29.53,136.52 cw(c58.04,136.52) C19.2@37.88,156.69
NetC20_2: C20.2 U4.10 | length 248.6
  Top Layer w10: U4.10@9.84,-78.74 9.84,-159.31 C20.2@10.54,-160 ; C20.2@0.15,-149.62 ccw(c-23.24,-126.22) 9.84,-126.22 ; C20.2@0.15,-149.62 ccw(c-23.24,-126.22) 9.84,-126.22 ; C20.2@0.15,-149.62 ccw(c-23.24,-126.22) 9.84,-126.22 ; 9.84,-122.87 ccw(c47.66,-122.87) C20.2@20.92,-149.62 ; 9.84,-122.87 ccw(c47.66,-122.87) C20.2@20.92,-149.62 ; 9.84,-122.87 ccw(c47.66,-122.87) C20.2@20.92,-149.62
NetC23_2: C23.2 U5.19 | length 496.4
  Top Layer w10: C23.2@-29,513.54 -19.68,504.22 U5.19@-19.68,435.72 ; C23.2@-39.38,501.18 cw(c-86.94,453.62) -19.68,453.62 ; C23.2@-39.38,501.18 cw(c-86.94,453.62) -19.68,453.62 ; C23.2@-39.38,501.18 cw(c-86.94,453.62) -19.68,453.62 ; C23.2@-32.31,508.25 cw(c-62.8,477.77) -19.68,477.77 ; C23.2@-32.31,508.25 cw(c-62.8,477.77) -19.68,477.77 ; C23.2@-32.31,508.25 cw(c-62.8,477.77) -19.68,477.77 ; C23.2@-31.09,497.03 cw(c-32.79,485.22) -22.46,491.19 ; C23.2@-31.09,497.03 cw(c-32.79,485.22) -22.46,491.19 ; C23.2@-31.09,497.03 cw(c-32.79,485.22) -22.46,491.19 ; -22.46,491.19 cw(c-17,494.34) C23.2@-20.6,499.52 ; -22.46,491.19 cw(c-17,494.34) C23.2@-20.6,499.52 ; -22.46,491.19 cw(c-17,494.34) C23.2@-20.6,499.52 ; -31.34,487.25 cw(c-18.15,494.87) -26.45,507.64 ccw(c-18.15,494.87) -31.34,487.25 ; -26.07,478.13 cw(c-12.4,486.02) -21,499.25 ccw(c-12.4,486.02) -26.07,478.13
NetC24_1: C24.1 C25.1 L2.1 U5.11 | length 1784.9
  Top Layer w10: U5.11@79.72,316.63 146.89,316.63 v1(152.52,311) ; v1(113,513.54) C25.1@184,513.54 ; 112.98,316.63 cw(c112.98,272.44) L2.1@144.22,303.69 ; 112.98,316.63 cw(c112.98,272.44) L2.1@144.22,303.69 ; 112.98,316.63 cw(c112.98,272.44) L2.1@144.22,303.69 ; 114.79,316.63 cw(c114.79,273.27) L2.1@145.45,303.93 ; 114.79,316.63 cw(c114.79,273.27) L2.1@145.45,303.93 ; 114.79,316.63 cw(c114.79,273.27) L2.1@145.45,303.93 ; C24.1@120.07,506.46 cw(c137.14,489.39) 137.14,513.54 ; C24.1@120.07,506.46 cw(c137.14,489.39) 137.14,513.54 ; C24.1@120.07,506.46 cw(c137.14,489.39) 137.14,513.54 ; C24.1@120.07,520.61 ccw(c137.14,537.68) 137.14,513.54 ; C24.1@120.07,520.61 ccw(c137.14,537.68) 137.14,513.54 ; C24.1@120.07,520.61 ccw(c137.14,537.68) 137.14,513.54 ; C24.1@123.38,503.15 cw(c148.45,478.08) 148.45,513.54 ; C24.1@123.38,503.15 cw(c148.45,478.08) 148.45,513.54 ; C24.1@123.38,503.15 cw(c148.45,478.08) 148.45,513.54 ; C24.1@123.38,523.92 ccw(c148.45,548.99) 148.45,513.54 ; C24.1@123.38,523.92 ccw(c148.45,548.99) 148.45,513.54 ; C24.1@123.38,523.92 ccw(c148.45,548.99) 148.45,513.54 ; 135.41,316.63 ccw(c135.41,329.09) L2.1@144.22,320.28 ; 135.41,316.63 ccw(c135.41,329.09) L2.1@144.22,320.28 ; 135.41,316.63 ccw(c135.41,329.09) L2.1@144.22,320.28 ; 148.55,513.54 ccw(c148.55,548.99) C25.1@173.62,523.92 ; 148.55,513.54 cw(c148.55,478.08) C25.1@173.62,503.15 ; 148.55,513.54 ccw(c148.55,548.99) C25.1@173.62,523.92 ; 148.55,513.54 cw(c148.55,478.08) C25.1@173.62,503.15 ; 148.55,513.54 ccw(c148.55,548.99) C25.1@173.62,523.92 ; 148.55,513.54 cw(c148.55,478.08) C25.1@173.62,503.15
  Bottom Layer w10: v1@111.17,503.7 cw(c105.11,471.1) 132.46,489.87 ; v1@111.17,503.7 cw(c105.11,471.1) 132.46,489.87 ; v1@111.17,503.7 cw(c105.11,471.1) 132.46,489.87 ; v1@111.17,503.7 cw(c105.11,471.1) 132.46,489.87 ; v1@111.17,503.7 cw(c105.11,471.1) 132.46,489.87 ; v1@111.17,503.7 cw(c105.11,471.1) 132.46,489.87 ; v1(113,513.54) ccw(c127.23,511.91) 121.06,498.98 ; v1(113,513.54) ccw(c127.23,511.91) 121.06,498.98 ; v1(113,513.54) ccw(c127.23,511.91) 121.06,498.98 ; v1(113,513.54) ccw(c127.23,511.91) 121.06,498.98 ; v1(113,513.54) v1@123.23,503.31 ; v1(113,513.54) v1@123.23,503.31 ; v1@122.83,511.71 ccw(c137.7,508.95) 125.23,500.39 ; v1@122.83,511.71 ccw(c137.7,508.95) 125.23,500.39 ; v1@122.83,511.71 ccw(c137.7,508.95) 125.23,500.39 ; v1@122.83,511.71 ccw(c137.7,508.95) 125.23,500.39 ; v1@122.83,511.71 ccw(c137.7,508.95) 125.23,500.39 ; v1@122.83,511.71 ccw(c137.7,508.95) 125.23,500.39 ; v1@123.23,503.31 cw(c52.52,432.59) 152.52,432.59 ; v1@123.23,503.31 cw(c52.52,432.59) 152.52,432.59 ; v1@145.45,318.07 ccw(c128.38,335.14) 152.52,335.14 ; v1@145.45,318.07 ccw(c128.38,335.14) 152.52,335.14 ; v1@145.45,318.07 ccw(c128.38,335.14) 152.52,335.14 ; v1@145.45,318.07 ccw(c128.38,335.14) 152.52,335.14 ; v1@145.45,318.07 ccw(c128.38,335.14) 152.52,335.14 ; v1@145.45,318.07 ccw(c128.38,335.14) 152.52,335.14 ; 152.52,335.14 ccw(c176.66,335.14) v1@159.59,318.07 ; 152.52,335.14 ccw(c176.66,335.14) v1@159.59,318.07 ; 152.52,335.14 ccw(c176.66,335.14) v1@159.59,318.07 ; 152.52,335.14 ccw(c176.66,335.14) v1@159.59,318.07 ; 152.52,335.14 ccw(c176.66,335.14) v1@159.59,318.07 ; 152.52,335.14 ccw(c176.66,335.14) v1@159.59,318.07 ; 152.52,432.59 v1(152.52,311) 152.52,432.59
NetC26_1: C26.1 L3.1 | length 173.7
  Top Layer w20: L3.1@217.48,425 C26.1@281,425 ; 257.62,425 ccw(c257.62,448.38) C26.1@274.15,431.85 ; 257.62,425 cw(c257.62,401.62) C26.1@274.15,418.15 ; 257.62,425 ccw(c257.62,448.38) C26.1@274.15,431.85 ; 257.62,425 cw(c257.62,401.62) C26.1@274.15,418.15 ; 257.62,425 ccw(c257.62,448.38) C26.1@274.15,431.85 ; 257.62,425 cw(c257.62,401.62) C26.1@274.15,418.15